# KiCad board kunji-patol-kicad.kicad_pcb (continued)
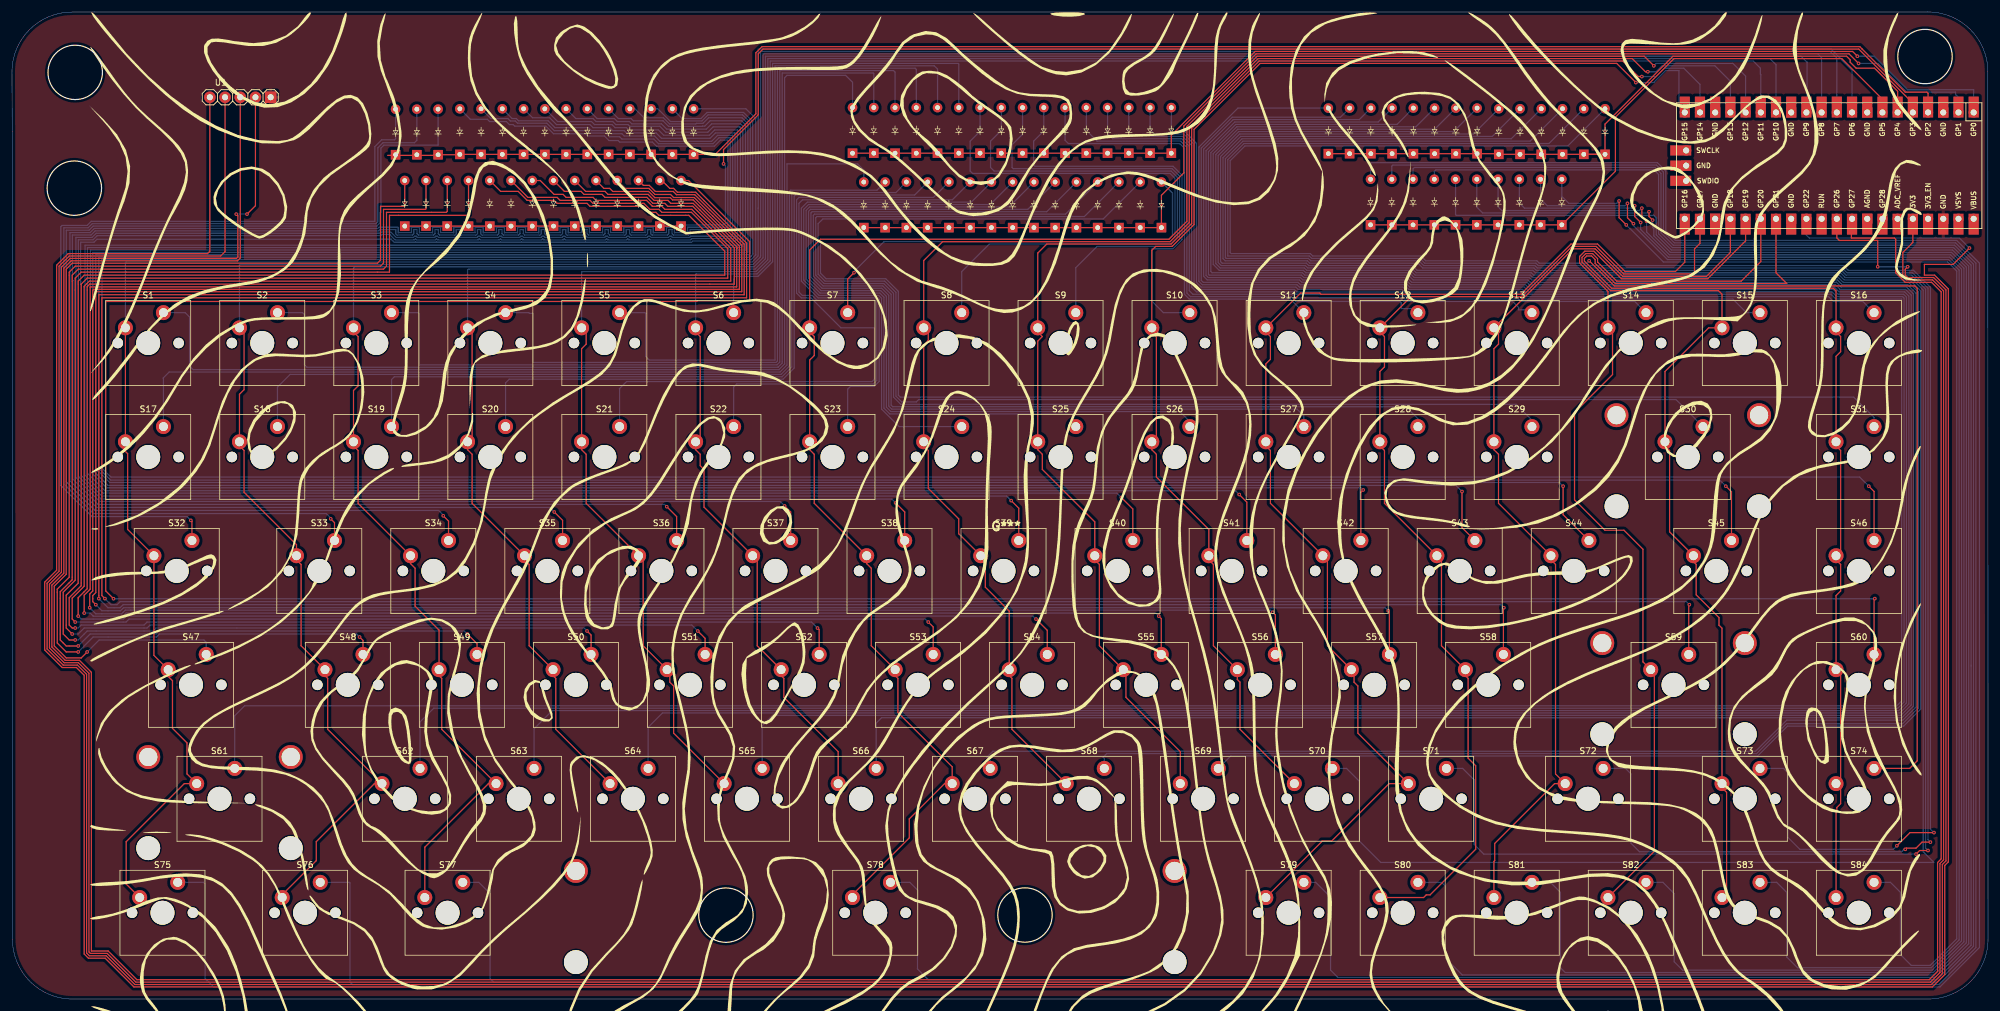
[diagram p0: board, top side]
## Routing (per net, layer and track width the routed paths; a pad name or vN(x,y) marks a point on that pad's centre or on a via; arc(x,y) is an arc through that point) (continued)
Net-(D75-A): length 551.8
  Bottom w0.2: S75.2 31.98,19.51 32.26,19.23 32.26,3.43 33.66,2.03 322.06,2.03 328.66,8.63 328.66,123.03 324.86,126.83 277.86,126.83 276.26,128.43 276.26,138.43 274.86,139.83 227.06,139.83 226.94,139.71 D75.2
Net-(D76-A): length 522.9
  Bottom w0.2: D76.2 230.49,139.26 230.66,139.43 274.7,139.43 275.86,138.26 275.86,128.26 277.7,126.43 324.66,126.43 328.06,123.03 328.06,8.59 322.3,2.83 322.26,2.83 322.26,2.79 321.9,2.43 56.86,2.43 56.46,2.83 56.46,19.43 56.38,19.51 S76.2
Net-(D77-A): length 492.1
  Bottom w0.2: D77.2 234.04,138.81 234.26,139.03 274.46,139.03 275.46,138.03 275.46,128.1 277.53,126.03 324.5,126.03 327.66,122.86 327.66,8.83 321.66,2.83 80.46,2.83 79.86,3.43 79.86,17.63 77.98,19.51 S77.2
Net-(D78-A): length 414.8
  Bottom w0.2: S78.2 149.98,19.51 151.26,18.23 151.26,5.03 153.06,3.23 321.5,3.23 327.26,8.99 327.26,55.83 ; D78.2 237.59,138.36 237.86,138.63 274.3,138.63 275.06,137.86 275.06,127.93 277.36,125.63 324.33,125.63 327.26,122.7 327.26,55.63
Net-(D79-A): length 337.3
  Bottom w0.2: D79.2 241.14,131.15 241.26,131.03 274.26,131.03 274.66,130.63 274.66,127.77 277.2,125.23 324.16,125.23 326.86,122.53 326.86,9.23 321.26,3.63 221.46,3.63 220.26,4.83 220.26,17.03 217.78,19.51 S79.2
Net-(D80-A): length 312.9
  Top w0.2: v1(273.46,131.63) 273.46,130.83 v1(274.06,130.23)
  Bottom w0.2: v1(274.06,130.23) 274.06,129.03 274.26,128.83 274.26,127.6 277.03,124.83 324,124.83 326.46,122.37 326.46,9.39 321.1,4.03 242.26,4.03 239.46,6.83 239.46,18.83 238.78,19.51 S80.2 ; D80.2 244.69,132.4 245.66,131.43 273.26,131.43 v1(273.46,131.63)
Net-(D81-A): length 289.4
  Top w0.2: v1(273.06,130.03) 272.26,130.83 v1(272.26,132.23)
  Bottom w0.2: S81.2 256.98,19.51 258.66,17.83 258.66,5.23 259.46,4.43 320.93,4.43 326.06,9.56 326.06,122.2 323.83,124.43 276.87,124.43 273.06,128.23 v1(273.06,130.03) ; v1(272.26,132.23) 271.86,131.83 248.86,131.83 248.24,132.45 D81.2
Net-(D82-A): length 264.3
  Top w0.2: v1(272.06,129.83) 271.06,130.83 v1(271.06,132.63)
  Bottom w0.2: D82.2 251.79,133.1 252.66,132.23 270.66,132.23 v1(271.06,132.63) ; v1(272.06,129.83) 272.06,128.67 276.7,124.03 323.67,124.03 325.66,122.03 325.66,9.73 320.76,4.83 279.06,4.83 277.66,6.23 277.66,17.63 275.78,19.51 S82.2
Net-(D83-A): length 239.5
  Top w0.2: v1(270.86,129.63) 269.86,130.63 v1(269.86,133.03)
  Bottom w0.2: D83.2 255.34,133.75 256.46,132.63 269.46,132.63 v1(269.86,133.03) ; S83.2 294.78,19.51 296.46,17.83 296.46,7.03 298.26,5.23 320.6,5.23 325.26,9.89 325.26,121.87 323.5,123.63 276.54,123.63 270.86,129.3 v1(270.86,129.63)
Net-(D84-A): length 215.1
  Top w0.2: v1(268.46,133.43) 268.46,130.63 v1(269.66,129.43)
  Bottom w0.2: D84.2 258.89,134.2 260.06,133.03 268.06,133.03 v1(268.46,133.43) ; S84.2 313.78,19.51 315.46,17.83 315.46,7.43 317.26,5.63 320.43,5.63 324.86,10.06 324.86,121.7 323.34,123.23 275.86,123.23 v1(269.66,129.43)

## Copper pours and planes (outline as drawn; the poured copper is in the pictures)
GND on Top, Bottom: -18.94,-36.77 -40.34,206.63 398.26,184.43 401.86,-83.77

## Text on the board
B.Silkscreen: Kunji-Patol ~ mihranrazaa
